# Altium PCB RevA2.PcbDoc (part 5 of 6)
Units mm, origin at the board's own origin, x right, y up, seen from the top; angles counter-clockwise.
Board outline 173 x 171 mm, 2 copper layers (Top Layer, Top, Bottom Layer, Bottom); 282 components, 411 nets, 1735 pads, 1978 vias.
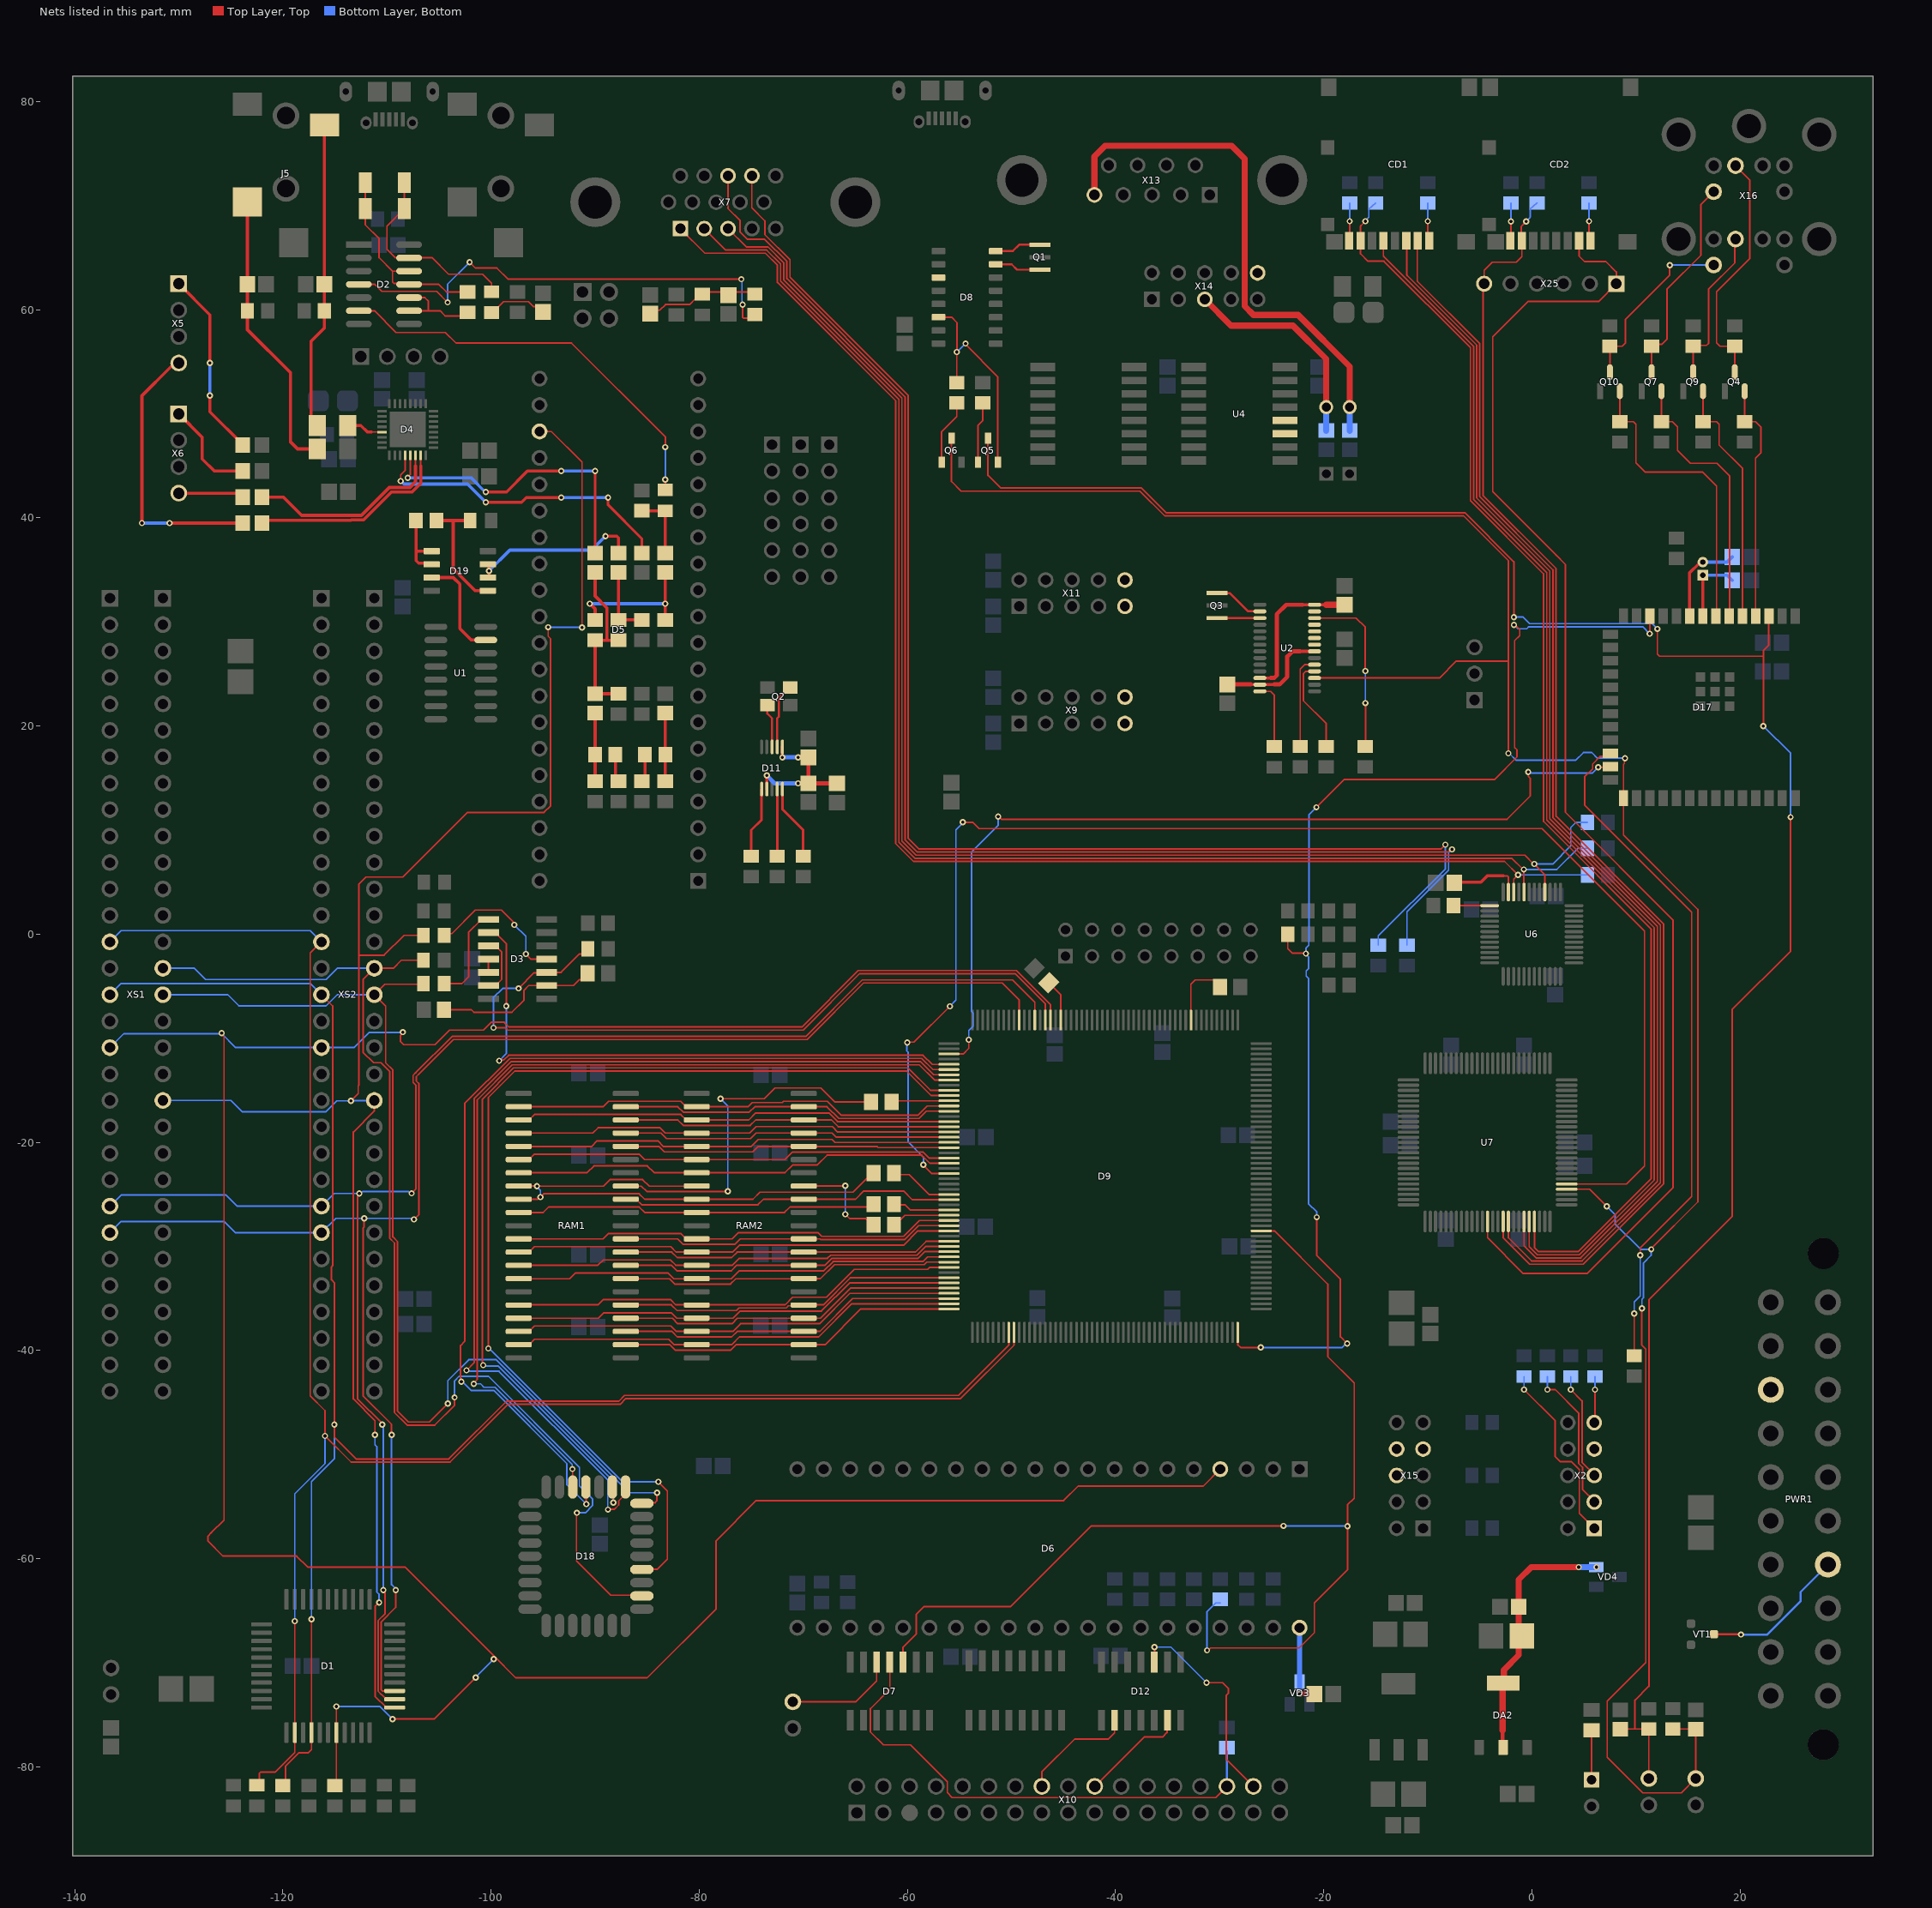
[diagram p5: the nets of this part, all layers, seen from the top]

## Via types
v1: diameter 0.6, hole 0.3, Top Layer, Top to Bottom Layer, Bottom, tented both sides, 1916 vias
v2: diameter 0.6, hole 0.3, Top Layer, Top to Bottom Layer, Bottom, tented bottom, 23 vias
v3: diameter 1, hole 0.5, Top Layer, Top to Bottom Layer, Bottom, tented both sides, 20 vias
v4: diameter 0.6, hole 0.3, Top Layer, Top to Bottom Layer, Bottom, 10 vias
v5: diameter 5.5, hole 3.96, Top Layer, Top to Bottom Layer, Bottom, 6 vias
v6: diameter 1, hole 0.5, Top Layer, Top to Bottom Layer, Bottom, 3 vias

## Nets (pads, with @x,y where several pads share a name; then routed paths per layer and width w, separated by ;. In a path a pad name is that pad's centre, name@x,y a point inside that pad or via, vN(x,y) a via of type N, cw(c..) or ccw(c..) an arc to the next point about the centre after c; other vN are vias at no path point) (continued)
M\1\_1: D1.24 D9.144 XS1.B24 XS2.B24 | length 159.8
  Top Layer, Top w0.15: v1(-112.65,-24.9) -112.65,-25.022 -112.825,-25.197 -112.825,-44.625 -110.45,-47 v1(-110.45,-47.1) ; v1(-110.35,-63) -110.35,-63.122 -110.175,-63.297 -110.175,-65.27 -110.838,-65.933 -110.838,-72.736 -110.514,-73.06 -110.49,-73.06 -110.05,-73.5 D1.24@-109.25,-73.5 ; v1(-107.63,-24.89) -107.222,-24.482 -107.222,-14.49 -107.475,-14.238 -107.475,-13.555 -107.222,-13.302 -107.222,-13.297 -103.739,-9.813 -69.762,-9.813 -64.331,-4.383 -49.887,-4.383 -47.75,-6.521 D9.144@-47.75,-8.25
  Bottom Layer, Bottom w0.15: XS1.B24@-136.805,-26.325 -135.535,-25.055 -125.438,-25.055 -124.363,-26.13 -116.36,-26.13 XS2.B24@-116.29,-26.2 ; XS2.B24@-116.29,-26.13 -115.06,-24.9 -112.528,-24.9 -112.346,-24.717 -107.925,-24.717 -107.752,-24.89 v1(-107.63,-24.89) ; v1(-110.45,-47.1) -110.45,-47.222 -110.35,-47.322 v1(-110.35,-63)
M\O\T\_5: D12.2 X10.16 | length 11.1
  Top Layer, Top w0.15: X10.16@-47.075,-81.87 -47.075,-80.493 -43.897,-77.316 -40.678,-77.316 -40.09,-76.727 D12.2@-40.09,-75.52
M\R\E\Q\_1: D1.15 D9.8 R3.2 XS1.B16 XS2.B16 | length 173.5
  Top Layer, Top w0.15: R3.2@-120,-81.798 -119.75,-81.548 -119.75,-79.941 -118.445,-78.636 -117.538,-78.636 -117.25,-78.348 D1.15@-117.25,-76.7 v1(-117.25,-65.8) ; XS2.B16@-116.25,-5.8 -116.25,-5.85 -115.215,-6.885 -115.215,-31.834 -115.325,-31.944 -115.325,-33.194 -115.05,-33.469 v1(-115.05,-47.1) -115.05,-48.313 -112.949,-50.413 -104.054,-50.413 -98.504,-44.863 -87.718,-44.863 -87.161,-44.306 -55.081,-44.306 -50.25,-39.475 D9.8@-50.25,-38.25
  Bottom Layer, Bottom w0.15: XS1.B16@-136.985,-6.185 XS1.B16@-136.61,-5.81 -135.535,-4.735 -117.365,-4.735 XS2.B16@-116.29,-5.81 ; v1(-117.25,-65.8) -117.25,-52.587 -115.05,-50.387 v1(-115.05,-47.1)
N\M\I\_1: D1.13 D9.9 R2.1 XS1.B14 XS2.B14 | length 180
  Top Layer, Top w0.15: R2.1@-122.25,-81.475 -122.25,-80.6 -122.15,-80.5 -120.733,-80.5 -118.85,-78.617 D1.13@-118.85,-76.7 v1(-118.85,-66) ; XS2.B14@-116.29,-0.73 -117.365,-1.805 -117.365,-44.355 -115.95,-45.77 v1(-115.95,-48.2) ; v1@-115.897,-48.347 -115.803,-48.347 -113.436,-50.713 -103.93,-50.713 -98.38,-45.163 -87.594,-45.163 -87.037,-44.606 -54.881,-44.606 -49.75,-39.475 D9.9@-49.75,-38.25
  Bottom Layer, Bottom w0.15: XS1.B14@-136.985,-1.105 -135.535,0.345 -117.365,0.345 XS2.B14@-116.29,-0.73 ; v1(-118.85,-66) -118.85,-53.762 -115.95,-50.862 v1(-115.95,-48.2)
NetC1_2: C1.2 C17.2 J5.2 R84.2 | length 27.6
  Top Layer, Top w0.3: J5.2@-123.4,70.35 -123.403,70.347 C1.2@-123.403,62.44 -123.403,59.9 -123.403,58.084 -119.25,53.931 -119.25,47.29 -118.585,46.625 C17.2@-116.7,46.625
NetC2_2: C2.2 C22.2 J5.3 R85.2 | length 29.6
  Top Layer, Top w0.3: C22.2@-116.7,48.875 -117.279,49.454 -117.279,56.971 -116,58.251 R85.2@-115.999,59.9 C2.2@-116,62.44 J5.3@-116,77.75
NetC4_2: C4.2 D4.4 | length 30.3
  Top Layer, Top w0.15: v1(-108.68,43.535) -108.68,44.13 -108.25,44.561 D4.4@-108.25,46.025
  Top Layer, Top w0.25: v1(-88.75,41.955) -88.75,41.25 -85.5,38 C4.2@-85.5,36.602
  Top Layer, Top w0.3: v1(-100.5,41.5) -97.06,41.5 -96.605,41.955 v1(-93.246,41.955)
  Bottom Layer, Bottom w0.3: v1(-108.68,43.535) -108.639,43.535 -108.355,43.25 -102.25,43.25 v1(-100.5,41.5) ; v1(-93.246,41.955) v1(-88.75,41.955)
NetC5_2: C5.2 D4.5 | length 29.6
  Top Layer, Top w0.15: v1(-108,43.85) -108,43.913 -107.75,44.163 D4.5@-107.75,46.025
  Top Layer, Top w0.25: C5.2@-90,36.602 v1(-90,44.5)
  Top Layer, Top w0.3: v1(-100.5,42.5) -98.5,42.5 -96.497,44.503 v1@-93.255,44.503
  Bottom Layer, Bottom w0.3: v1(-108,43.85) -101.903,43.85 -100.553,42.5 v1(-100.5,42.5) ; v1(-93.246,44.5) v1(-90,44.5)
NetC6_1: C6.1 R23.1 R24.1 | length 6.8
  Top Layer, Top w0.3: C6.1@-87.75,34.75 R23.1@-87.75,30.202 R24.1@-85.5,30.202
NetC6_2: C6.2 D19.6 D19.7 | length 16.7
  Top Layer, Top w0.3: D19.6@-100.3,34.27 -100.181,34.389 v1(-100.181,34.912) -100.181,35.421 D19.7@-100.3,35.54 ; v1(-89,38.25) -87.926,38.25 -87.75,38.074 C6.2@-87.75,36.602
  Bottom Layer, Bottom w0.3: v1(-100.181,34.912) -98.184,36.909 -90.341,36.909 v1(-89,38.25)
NetC7_1: C7.1 R25.1 R27.1 | length 6.5
  Top Layer, Top w0.3: R25.1@-83.25,14.702 R27.1@-83.25,17.25 C7.1@-83.25,21.25
NetC8_1: C8.1 R29.1 R30.1 | length 6.5
  Top Layer, Top w0.3: R30.1@-90,14.702 R29.1@-90,17.25 C8.1@-90,21.25
NetC9_1: C9.1 R102.1 R103.2 | length 6.6
  Top Layer, Top w0.3: R103.2@-85.5,40.685 R102.1@-83.25,40.685 C9.1@-83.25,36.602 C9.1@-83.25,36.352
NetC9_2: C9.2 R31.2 R32.2 | length 13.3
  Top Layer, Top w0.3: v1(-90.5,31.756) -90,31.256 R31.2@-90,30.202 ; R32.2@-83.25,30.202 C9.2@-83.25,34.5
  Bottom Layer, Bottom w0.3: v1(-90.5,31.756) v1(-83.256,31.756) v1@-83.25,31.75
NetC10_1: C10.1 D17.9 Q8.2 | length 8.9
  Top Layer, Top w0.3: D17.9@15.162,30.575 15.162,34.725 16.057,35.62 16.298,35.62 Q8.2@16.432,35.754
  Bottom Layer, Bottom w0.3: Q8.2@16.432,35.754 18.754,35.754 C10.1@19.25,36.25
NetC12_1: C12.1 D17.8 Q8.1 | length 6.9
  Top Layer, Top w0.3: D17.8@16.432,30.575 Q8.1@16.432,34.5
  Bottom Layer, Bottom w0.3: Q8.1@16.432,34.5 18.75,34.5 C12.1@19.25,34
NetC18_1: C18.1 X6.4 | length 6.3
  Top Layer, Top w0.3: X6.4@-130,42.38 -124.232,42.38 C18.1@-123.852,42
NetC19_1: C19.1 X6.1 | length 9.6
  Top Layer, Top w0.3: X6.1@-130,50 -127.75,47.75 -127.75,45.67 -126.58,44.5 C19.1@-123.852,44.5
NetC20_1: C20.1 X5.4 | length 26.8
  Top Layer, Top w0.3: v1(-133.541,39.5) -133.541,51.732 -130.833,54.44 ; v1(-130.875,39.5) C20.1@-123.852,39.5 ; -130.833,54.44 -130.392,54.88 X5.4@-130,54.88
  Bottom Layer, Bottom w0.3: v1(-133.541,39.5) v1(-130.875,39.5)
NetC21_1: C21.1 X5.1 | length 18
  Top Layer, Top w0.3: X5.1@-130,62.5 -127,59.5 v1(-127,54.88) ; v1(-127,51.75) -127,50.199 -123.852,47.051 C21.1@-123.852,47
  Bottom Layer, Bottom w0.3: v1(-127,51.75) v1(-127,54.88)
NetC28_2: C28.2 R15.1 | length 5.8
  Top Layer, Top w0.15: R15.1@-99.95,59.735 -99.823,59.735 -98.784,60.774 -96.393,60.774 -95.915,60.297 -95.508,60.297 C28.2@-95,59.789
NetC31_1: C31.1 C34.1 R34.2 R35.2 | length 10.9
  Top Layer, Top w0.15: C31.1@-84.7,59.617 -84.366,59.95 -83.785,59.95 -83.229,60.506 -80.904,60.506 -80.356,61.054 -80.356,61.092 -79.737,61.71 -77.169,61.71 R35.2@-74.7,61.71
NetC35_1: C35.1 U2.12 U2.28 | length 14.5
  Top Layer, Top w0.3: U2.12@-26.125,24.62 -25.09,24.62 ; -22,31.66 U2.28@-20.875,31.66 -19.75,31.66
  Top Layer, Top w0.4: -25.09,24.62 -24.75,24.62 -24.5,24.87 -24.5,30.75 -23.59,31.66 -22,31.66
  Top Layer, Top w0.6: -19.75,31.66 C35.1@-18,31.66
NetC36_1: C36.1 U2.13 U2.21 | length 10.8
  Top Layer, Top w0.3: -26.999,23.999 -26.144,23.999 U2.13@-26.125,23.98 -26.106,23.999 U2.13@-25.61,23.999 ; U2.13@-25.609,24 -24.75,24 ; -22.25,27.18 U2.21@-20.875,27.18
  Top Layer, Top w0.4: C36.1@-29.25,24 -27,24 ; -24.75,24 -24.242,24 -23.501,24.741 -23.501,26.679 -23,27.18 -22.25,27.18
NetC45_2: C45.2 D6.40 VD3.3 | length 7.7
  Top Layer, Top w0.5: v1(-22.301,-72.976) -21.024,-72.976 C45.2@-21,-73
  Bottom Layer, Bottom w0.4: D6.40@-22.31,-66.63 -22.297,-66.642 D6.40@-22.292,-66.642
  Bottom Layer, Bottom w0.5: v1@-22.301,-72.975 -22.301,-72.002 -22.305,-71.997 -22.305,-66.655 D6.40@-22.292,-66.642
NetC55_2: C55.2 D16.2 X14.5 | length 20.9
  Top Layer, Top w0.6: X14.5@-31.42,61 -28.898,58.478 -22.947,58.478 -19.75,55.281 D16.2@-19.75,50.64
  Bottom Layer, Bottom w0.6: C55.2@-19.75,48.39 D16.2@-19.75,50.64
NetC56_2: C56.2 D15.2 X13.5 | length 51.9
  Top Layer, Top w0.6: X13.5@-42.026,71.038 -42.026,74.724 -41,75.75 -28.847,75.75 -27.59,74.493 -27.59,60.34 -26.75,59.5 -22.467,59.5 -17.5,54.533 D15.2@-17.5,50.64
  Bottom Layer, Bottom w0.6: C56.2@-17.5,48.39 D15.2@-17.5,50.64
NetC57_1: C57.1 C58.1 DA2.2 DA2.4 VD4.2 | length 24.7
  Top Layer, Top w0.4: DA2.2@-2.804,-78.113 -2.804,-76.471
  Top Layer, Top w0.6: -2.804,-76.471 -2.804,-72.013 -2.69,-71.899 -2.69,-70.69 -1.254,-69.254 -1.254,-67.425 C58.1@-1.254,-64.613 -1.254,-62.004 -0.05,-60.8 v1(4.5,-60.8)
  Bottom Layer, Bottom w0.6: v1(4.5,-60.8) v1(6.213,-60.8)
NetC90_1: C90.1 C91.1 D11.1 D11.7 FB4.2 | length 14.4
  Top Layer, Top w0.3: D11.7@-73.5,13.95 v1(-73.5,15.25) ; v1(-72,17) D11.1@-72,18
  Top Layer, Top w0.4: v1(-70.5,14.5) C90.1@-69.5,14.5 ; v1(-70.5,17) C91.1@-69.5,17 C90.1@-69.5,14.5 ; FB4.2@-66.75,14.5 C90.1@-69.5,14.5
  Bottom Layer, Bottom w0.4: v1(-73.5,15.25) -72.75,14.5 v1(-70.5,14.5) ; v1(-72,17) v1(-70.5,17)
NetC115_1: C115.1 U6.35 | length 7
  Top Layer, Top w0.15: -2.75,5.607 -2.338,5.607 -2.25,5.519 U6.35@-2.25,4.05
  Top Layer, Top w0.3: C115.1@-7.509,5 -4.896,5 -4.288,5.607 -2.75,5.607
NetCD1_1: CD1.1 R80.1 | length 3.7
  Top Layer, Top w0.15: v1(-10,68.5) -10,66.773 CD1.1@-9.854,66.627
  Bottom Layer, Bottom w0.15: v1(-10,68.5) R80.1@-10,70.25
NetCD1_8: CD1.8 R82.1 | length 3.6
  Top Layer, Top w0.15: CD1.8@-17.554,66.627 -17.5,66.681 v1(-17.5,68.5)
  Bottom Layer, Bottom w0.15: v1(-17.5,68.5) R82.1@-17.5,70.25
NetCD2_1: CD2.1 R77.1 | length 3.3
  Top Layer, Top w0.15: v1(5.5,68.5) 5.5,67.119 CD2.1@5.646,66.973
  Bottom Layer, Bottom w0.15: v1(5.5,68.5) R77.1@5.5,70.25
NetCD2_8: CD2.8 R79.1 | length 3.6
  Top Layer, Top w0.15: CD2.8@-2.054,66.681 -2,66.734 v1(-2,68.486)
  Bottom Layer, Bottom w0.15: v1(-2,68.486) R79.1@-2,70.25
NetD2_4: D2.4 R35.1 | length 45.4
  Top Layer, Top w0.15: D2.4@-112.7,62.44 -111.143,62.44 -110.473,61.77 -105.226,61.77 v1(-104.166,60.71) ; v1(-102.057,64.567) -101.506,64.016 -99.431,64.016 -98.346,62.93 -75.957,62.93 v1(-75.952,62.935) ; v1(-75.829,60.491) -75.829,59.272 -75.741,59.184 R35.1@-74.853,59.184
  Bottom Layer, Bottom w0.15: v1(-104.166,60.71) -104.166,62.459 v1(-102.057,64.567) ; v1@-75.957,62.935 -75.891,62.869 -75.891,60.6 v1@-75.829,60.538
NetD2_6: D2.6 R102.2 | length 39.6
  Top Layer, Top w0.15: D2.6@-112.7,59.9 -111.2,59.9 -109.113,57.814 -104.376,57.814 -103.368,56.805 -92.265,56.805 -83.25,47.79 v1(-83.25,46.802) ; R102.2@-83.25,42.689 v1(-83.25,43.694)
  Bottom Layer, Bottom w0.15: v1(-83.25,43.694) v1(-83.25,46.802)
NetD2_9: D2.9 D2.10 R14.1 | length 7.8
  Top Layer, Top w0.15: D2.10@-107.868,61.17 -106.36,61.17 -106.006,60.817 -106.006,59.9 ; D2.9@-107.112,59.9 -106.006,59.9 ; R14.1@-102.45,59.41 -104.411,59.41 -104.901,59.9 -106.006,59.9
NetD2_11: D2.11 D2.12 R14.2 VD1.1 VD2.2 | length 19.6
  Top Layer, Top w0.15: VD1.1@-112.075,72.21 VD2.2@-112.075,69.71 -112.075,68.16 -110.75,66.835 -110.75,65 -109.46,63.71 ; D2.11@-107.868,62.44 -107.957,62.53 -109.33,62.53 -109.46,62.66 -109.46,63.71 ; D2.11@-107.112,62.44 -105.021,62.44 -104.291,61.71 R14.2@-102.45,61.71 ; D2.12@-107.112,63.71 D2.12@-107.868,63.71 -109.46,63.71
NetD2_13: D2.13 R15.2 VD1.2 VD2.1 | length 19.4
  Top Layer, Top w0.15: VD1.2@-108.325,72.21 VD2.1@-108.325,69.71 -110,68.035 -110,65.798 -109.217,65.015 D2.13@-107.833,65.015 ; D2.13@-107.868,64.98 D2.13@-107.833,65.015 ; R15.2@-99.95,61.71 -99.95,62.543 -100.823,63.416 -104.082,63.416 -105.68,65.015 D2.13@-107.833,65.015
NetD3_2: D3.2 R17.1 R18.1 | length 16.5
  Top Layer, Top w0.15: R18.1@-104.775,-6.575 -104.775,-6.675 -104.2,-7.25 -101.9,-7.25 -101.65,-7.5 -97.997,-7.5 -96.825,-6.328 -96.825,-5.375 -96.38,-4.93 D3.2@-94.65,-4.93 -92.089,-4.93 -91.516,-4.357 -91.304,-4.357 -90.907,-3.96 R17.1@-90.907,-3.748
NetD3_4: D3.4 R13.1 | length 13.9
  Top Layer, Top w0.15: R13.1@-104.496,-0.1 -104.335,0.061 -103.752,0.061 -101.492,2.32 -99,2.32 -97.836,1.157 -97.836,0.986 v1(-97.75,0.9) ; v1(-96.65,-1.9) -96.15,-2.4 -94.66,-2.4 D3.4@-94.65,-2.39
  Bottom Layer, Bottom w0.15: v1(-97.75,0.9) -96.65,-0.2 v1(-96.65,-1.9)
NetD3_8: D3.8 R12.1 | length 9.1
  Top Layer, Top w0.15: R12.1@-104.25,-4.75 -104.244,-4.744 -102.809,-4.744 -102.151,-4.086 -102.151,0.182 -100.913,1.42 D3.8@-100.238,1.42
NetD3_10: D3.10 D3.13 | length 5.7
  Top Layer, Top w0.15: D3.13@-100.238,-4.93 -99.563,-4.93 -98.963,-4.33 -98.963,-1.72 -99.563,-1.12 D3.10@-100.238,-1.12
NetD3_11: D3.11 D3.12 | length 1.3
  Top Layer, Top w0.15: D3.12@-100.238,-3.66 -100.25,-3.648 -100.25,-2.402 D3.11@-100.238,-2.39
NetD7_12: D7.12 J2.0 | length 10.7
  Top Layer, Top w0.15: J2.0@-71,-73.75 -64.97,-73.75 -62.95,-71.73 D7.12@-62.95,-69.932
NetD8_7: D8.7 Q1.3 | length 4.5
  Top Layer, Top w0.2: D8.7@-51.504,64.367 -49.976,64.367 -49.459,63.85 Q1.3@-47.25,63.85
NetD8_8: D8.8 Q1.1 | length 4.5
  Top Layer, Top w0.2: D8.8@-51.504,65.637 -49.863,65.637 -49.25,66.25 Q1.1@-47.25,66.25
NetD9_114: D9.114 R60.1 | length 6.7
  Top Layer, Top w0.15: D9.114@-32.75,-8.25 -32.75,-4.8 -32.347,-4.397 -30.567,-4.397 -29.965,-4.999 R60.1@-29.965,-5.079
NetD9_139: D9.139 R49.1 | length 4.2
  Top Layer, Top w0.15: R49.1@-46.529,-4.541 -45.25,-5.82 D9.139@-45.25,-8.25
NetD9_168: D9.168 R39.1 | length 5.6
  Top Layer, Top w0.15: R39.1@-61.524,-16.1 -61.424,-16 D9.168@-56,-16
NetD9_186: D9.186 R40.1 | length 6.1
  Top Layer, Top w0.15: R40.1@-61.283,-22.937 -61.128,-23.093 -59.816,-23.093 -57.909,-25 D9.186@-56,-25
NetD9_189: D9.189 R41.1 | length 5.5
  Top Layer, Top w0.15: R41.1@-61.283,-25.937 -61.233,-25.987 -60.218,-25.987 -59.705,-26.5 D9.189@-56,-26.5
NetD9_190: D9.190 R42.1 | length 5.1
  Top Layer, Top w0.15: R42.1@-60.856,-27.631 -60.225,-27 D9.190@-56,-27
NetD11_2: D11.2 Q2.3 | length 6.3
  Top Layer, Top w0.2: D11.2@-72.5,18 -72.5,20.75 -72.35,20.9 -72.35,22.7 -71.35,23.7 Q2.3@-71.25,23.7
NetD11_3: D11.3 Q2.1 | length 4.2
  Top Layer, Top w0.2: Q2.1@-73.45,22 -73.45,21.2 -73,20.75 D11.3@-73,18
NetD11_6: D11.6 R47.1 | length 6.9
  Top Layer, Top w0.25: R47.1@-75,7.5 -75,10 -74,11 D11.6@-74,13.95
NetD11_9: D11.9 R48.1 | length 6.4
  Top Layer, Top w0.25: R48.1@-72.5,7.5 D11.9@-72.5,13.95
NetD11_10: D11.10 R50.1 | length 7.3
  Top Layer, Top w0.25: D11.10@-72,13.95 -72,12 -70,10 R50.1@-70,7.5
NetD17_24: D17.24 R64.1 | length 65.9
  Top Layer, Top w0.15: D17.24@7.562,17.38 7.279,17.097 6.588,17.097 5.842,16.351 5.842,15.889 5.078,15.125 5.078,12.408 14.458,3.029 15.358,2.129 15.358,-25.201 10.835,-29.723 10.417,-30.141 v1(10.417,-30.846) ; R64.1@9.84,-40.5 9.843,-40.497 v1(9.843,-36.442)
  Bottom Layer, Bottom w0.15: v1(9.843,-36.442) 9.84,-36.439 9.84,-35.309 10.417,-34.732 v1(10.417,-30.846)
NetD19_1: D19.1 D19.2 R21.2 | length 6.7
  Top Layer, Top w0.3: R21.2@-107.202,39.405 -107.202,37.655 -107.202,36.655 ; D19.2@-105.7,35.54 -105.8,35.64 -106.937,35.64 -107.202,35.905 -107.202,36.655 ; D19.1@-105.7,36.81 -107.047,36.81 -107.202,36.655
NetD19_3: D19.3 U1.15 | length 10.2
  Top Layer, Top w0.3: D19.3@-105.7,34.27 -103.625,34.27 -103,33.645 -103,29.375 -101.895,28.27 U1.15@-100.5,28.27
NetD19_5: D19.5 R21.1 R22.2 | length 12.1
  Top Layer, Top w0.3: R21.1@-105.25,39.75 -103.625,39.75 ; R22.2@-102,39.75 -103.625,39.75 ; D19.5@-100.3,33 -101.5,33 -103.625,35.125 -103.625,39.75
NetPWR1_14: PWR1.14 VT1.3 | length 14.3
  Top Layer, Top w0.2: VT1.3@17.5,-67.25 17.515,-67.265 20.079,-67.265 v1(20.094,-67.281)
  Bottom Layer, Bottom w0.2: v1(20.094,-67.281) 22.631,-67.281 25.807,-64.104 25.807,-63.212 PWR1.14@28.456,-60.563
NetQ3_1: Q3.1 U2.3 | length 4.1
  Top Layer, Top w0.2: Q3.1@-30.25,30.38 U2.3@-26.125,30.38
NetQ3_3: Q3.3 U2.2 | length 4.9
  Top Layer, Top w0.2: Q3.3@-30.25,32.78 -29.03,32.78 -27.27,31.02 U2.2@-26.125,31.02
NetQ4_3: Q4.3 R70.2 X16.1 | length 23.3
  Top Layer, Top w0.15: Q4.3@19.5,54 R70.2@19.5,56.499 18.063,56.5 17.75,56.813 17.75,61.714 20.938,64.902 20.938,72.475 X16.1@19.57,73.842
NetQ5_1: Q5.1 R93.1 | length 5.9
  Top Layer, Top w0.15: Q5.1@-53.2,45.35 -53.2,48.92 -52.75,49.37 R93.1@-52.75,51.048
NetQ6_1: Q6.1 R94.1 | length 6.3
  Top Layer, Top w0.15: Q6.1@-56.7,45.35 -56.7,48.3 -55.25,49.75 R94.1@-55.25,51.048
NetQ7_3: Q7.3 R67.2 X16.5 | length 20.3
  Top Layer, Top w0.15: Q7.3@11.5,54 R67.2@11.5,56.499 11.688,56.688 12.5,56.688 13,57.188 13,62 16.25,65.25 16.25,70.122 X16.5@17.47,71.342
NetQ9_3: Q9.3 R68.2 X16.7 | length 15.2
  Top Layer, Top w0.15: Q9.3@15.5,54 R68.2@15.5,56.499 15.579,56.579 16.783,56.579 17,56.796 17,62 19.5,64.5 19.5,66.722 X16.7@19.57,66.792
NetQ10_3: Q10.3 R69.2 X16.11 | length 17.6
  Top Layer, Top w0.15: Q10.3@7.5,54 R69.2@7.5,56.499 8.686,56.5 9,56.814 9,59.087 13.25,63.337 v1(13.25,64.292)
  Bottom Layer, Bottom w0.15: v1(13.25,64.292) X16.11@17.47,64.292
NetR26_1: R26.1 R27.2 | length 2.7
  Top Layer, Top w0.3: R26.1@-85.5,14.702 -85.202,15 R27.2@-85.202,17.25
NetR28_1: R28.1 R29.2 | length 2.7
  Top Layer, Top w0.3: R29.2@-88.048,17.25 -88.048,15 R28.1@-87.75,14.702
NetR36_1: R36.1 U2.14 | length 6.5
  Top Layer, Top w0.15: U2.14@-26.125,23.34 -25.09,23.34 -24.75,23 R36.1@-24.75,18.046
NetR37_1: R37.1 U2.26 | length 16.7
  Top Layer, Top w0.15: U2.26@-20.875,30.38 -16.88,30.38 -16,29.5 v1(-16,25.29) ; R37.1@-16,18.046 -15.98,18.066 v1(-15.98,22.207)
  Bottom Layer, Bottom w0.15: v1(-16,25.29) -15.99,25.28 -15.99,22.217 v1(-15.98,22.207)
NetR43_1: R43.1 U2.19 | length 9
  Top Layer, Top w0.15: R43.1@-22.25,18.046 -22.25,25.48 -21.83,25.9 U2.19@-20.875,25.9
NetR45_1: R45.1 U2.18 | length 9.1
  Top Layer, Top w0.15: U2.18@-20.875,25.26 -21.725,25.26 -21.95,25.035 -21.95,22.45 -19.75,20.25 R45.1@-19.75,18.046
NetR89_2: R89.2 U6.37 | length 3.5
  Top Layer, Top w0.15: R89.2@-7.509,2.75 U6.37@-4.05,2.75
NetR90_2: R90.2 X7.14 | length 134.4
  Top Layer, Top w0.15: X7.14@-74.932,72.872 -74.932,69.786 -73.682,68.536 -73.682,67.21 -71.275,64.803 -71.275,63.119 -59.916,51.76 -59.916,9.214 -59.177,8.475 -58.902,8.2 -8.709,8.2 v2(-8.3,8.609)
  Bottom Layer, Bottom w0.15: R90.2@-14.75,-1.048 -14.75,-0.164 -8.3,6.285 v2(-8.3,8.609)
NetR91_2: R91.2 X7.13 | length 135.9
  Top Layer, Top w0.15: X7.13@-77.222,72.872 -77.222,69.735 -76.06,68.573 -76.06,67.471 -75.356,66.767 -73.695,66.767 -71.575,64.647 -71.575,62.995 -60.216,51.635 -60.216,9.09 -59.026,7.9 -8.047,7.9 -7.796,8.151 v2(-7.674,8.151)
  Bottom Layer, Bottom w0.15: R91.2@-12,-1.048 -12,2.161 -8,6.161 -8,7.825 v2(-7.674,8.151)
NetR98_1: R98.1 X2.1 | length 18
  Top Layer, Top w0.15: v1(-0.75,-43.75) 2.25,-46.75 2.25,-50.187 2.746,-50.683 3.832,-50.683 4.571,-51.422 4.571,-55.642 X2.1@5.995,-57.066
  Bottom Layer, Bottom w0.15: v1(-0.75,-43.75) R98.1@-0.75,-42.5
NetR99_1: R99.1 X2.3 | length 14.4
  Top Layer, Top w0.15: v1(1.5,-43.75) 2.25,-43.75 4.501,-46.001 4.501,-50.836 4.871,-51.206 4.871,-53.322 X2.3@6.075,-54.526
  Bottom Layer, Bottom w0.15: v1(1.5,-43.75) R99.1@1.5,-42.5
NetR104_1: R104.1 X2.5 | length 10.4
  Top Layer, Top w0.15: v1(3.75,-43.75) 4.828,-44.828 4.828,-50.739 X2.5@6.075,-51.986
  Bottom Layer, Bottom w0.15: v1(3.75,-43.75) R104.1@3.75,-42.5
NetR105_1: R105.1 X2.9 | length 4.4
  Top Layer, Top w0.15: X2.9@6.075,-46.906 v1(6.075,-43.75)
  Bottom Layer, Bottom w0.15: v1(6.075,-43.75) R105.1@6.075,-42.5
NetU2_22: U2.22
NetU2_23: U2.23
NetU2_24: U2.24
NetU2_25: U2.25
NetU2_27: U2.27
NetU4_11: U4.11
NetU4_12: U4.12
NetVD5_A: R74.2 VD5.A | length 4.8
  Top Layer, Top w0.15: VD5.A@5.75,-81.25 R74.2@5.75,-76.5
NetX2_7: X2.7
NetX9_9: X9.9